# Altium PCB openmv-stm32n.PcbDoc (part 5 of 5)
Units mil, origin at the board's own origin, x right, y up, seen from the top; angles counter-clockwise.
Board outline 1400 x 1750 mil, 10 copper layers (Top Layer, L2, L3H, L5Z, L4, L6G, L7P, L8V, L9, Bottom Layer), stack 46.102 mil thick; 354 components, 264 nets, 1311 pads, 599 vias.
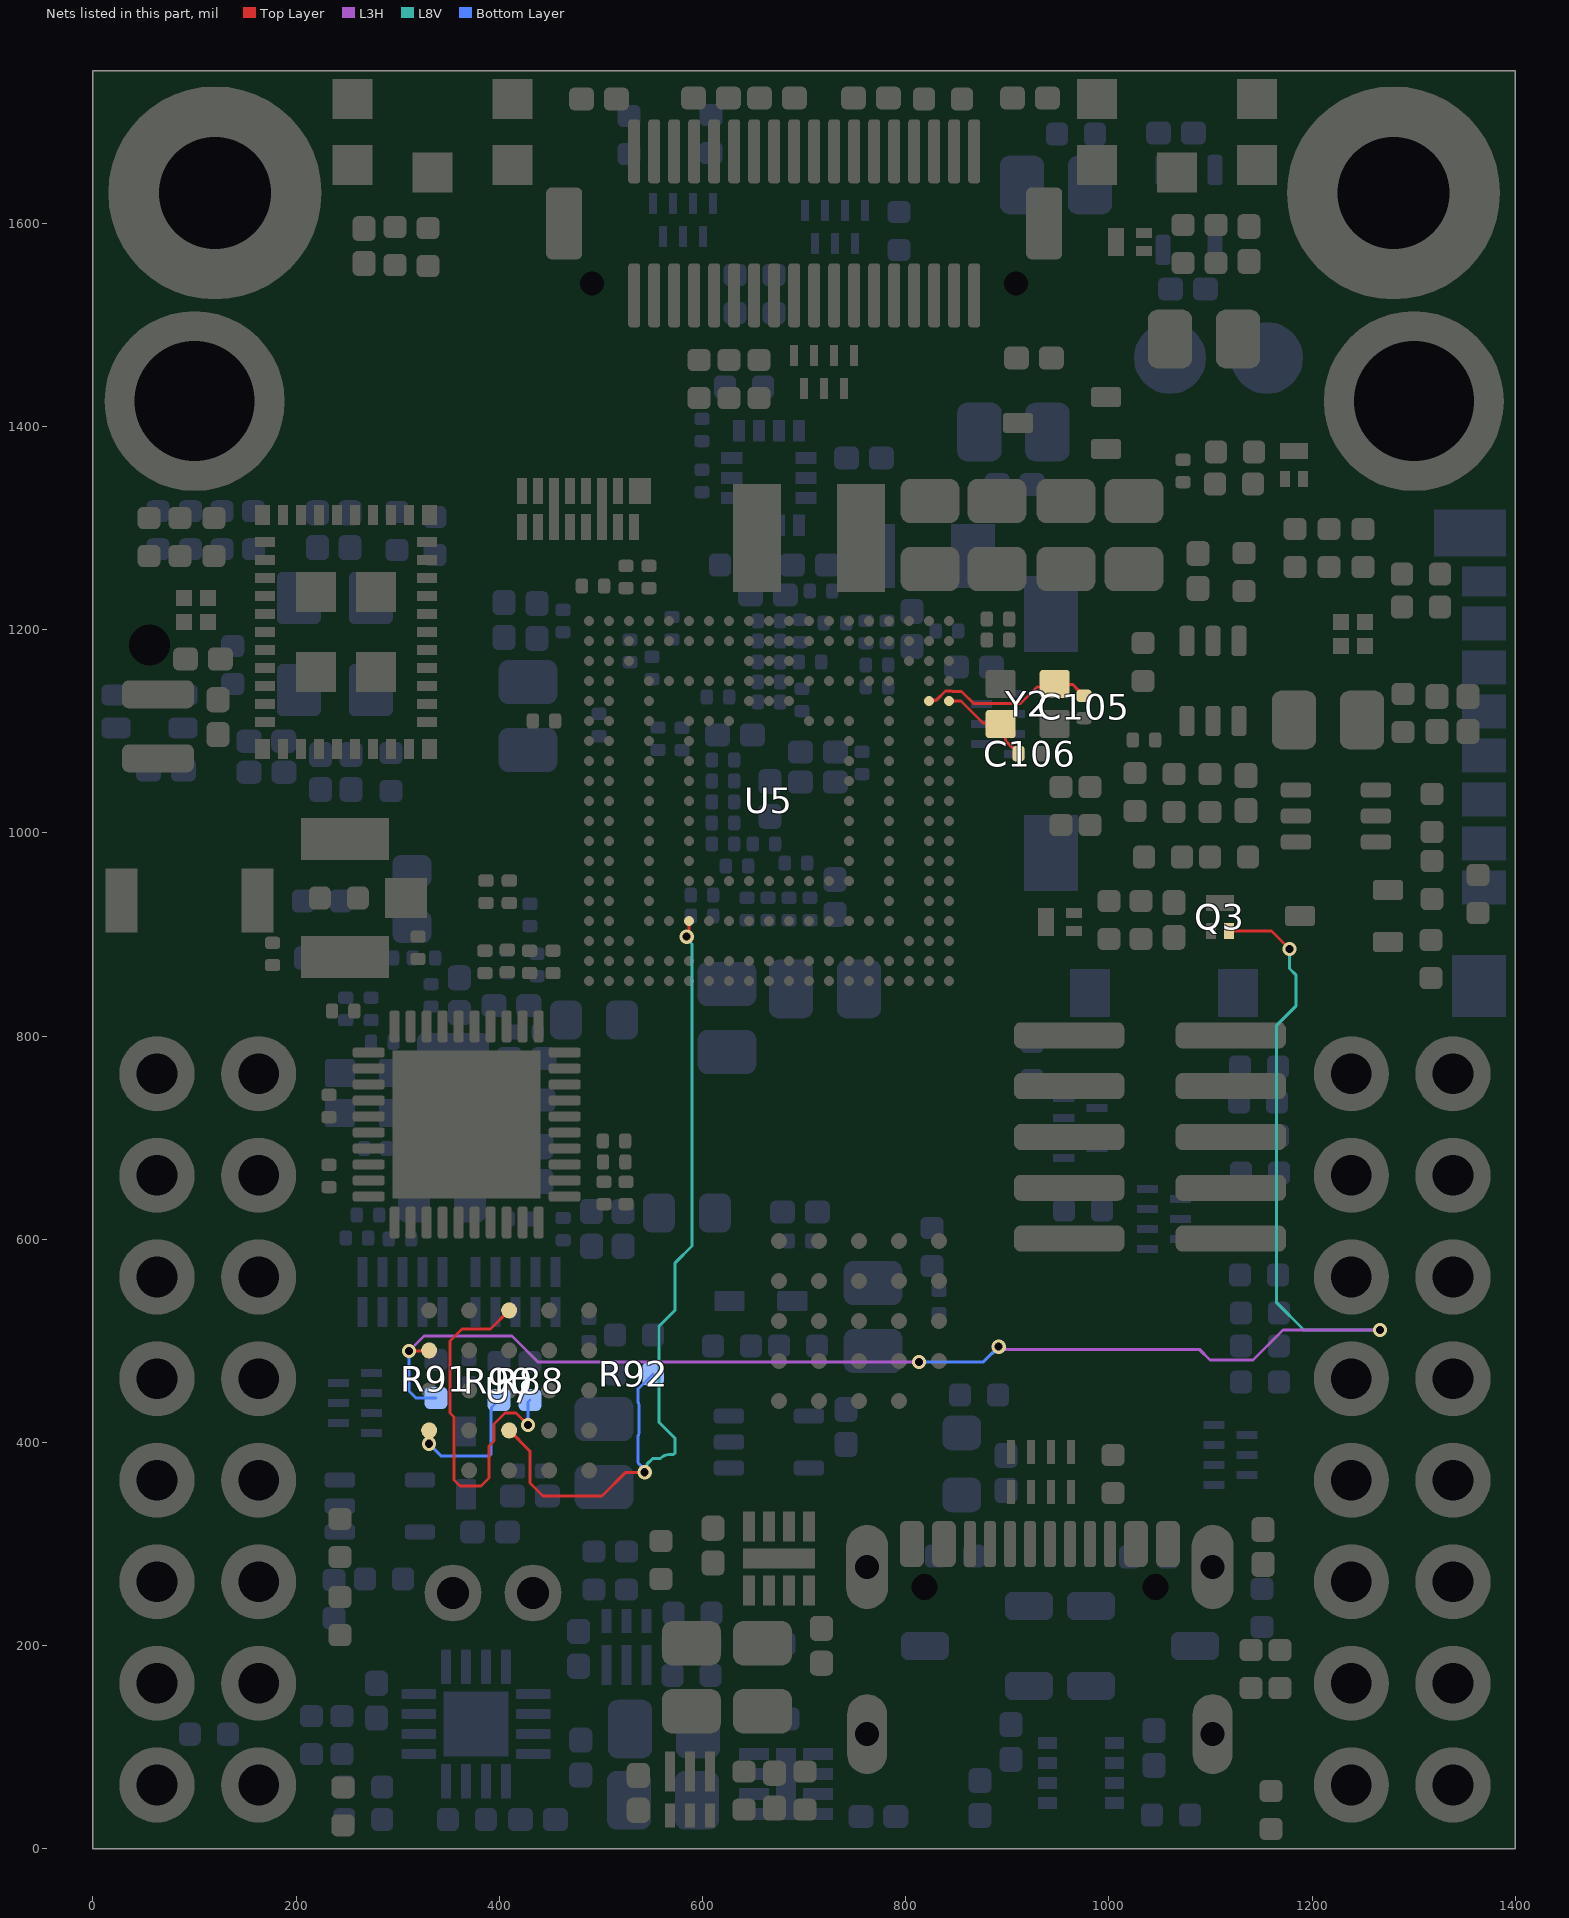
[diagram p13: the nets of this part, all layers, seen from the top]

## Via types
v1: diameter 14, hole 8, Top Layer to Bottom Layer, tented both sides, 586 vias
v2: diameter 35, hole 15, Top Layer to Bottom Layer, tented both sides, 6 vias
v3: diameter 25, hole 15, Top Layer to Bottom Layer, tented both sides, 5 vias
v4: diameter 20, hole 10, Top Layer to Bottom Layer, tented both sides, 1 vias
v5: diameter 20, hole 8, Top Layer to Bottom Layer, tented both sides, 1 vias

## Nets (pads, with @x,y where several pads share a name; then routed paths per layer and width w, separated by ;. In a path a pad name is that pad's centre, name@x,y a point inside that pad or via, vN(x,y) a via of type N, cw(c..) or ccw(c..) an arc to the next point about the centre after c; other vN are vias at no path point) (continued)
XSPIM_P2_NCS1: R92.2 U5.P16 U7.C2 | length 881.4
  Top Layer w3: U7.C2@409.63,412 430.12,391.51 430.12,360.24 442.91,347.44 500.98,347.44 524.31,370.77 v1(542.96,370.77) ; v1(584.33,897.95) 584.33,900.93 586.61,903.21 U5.P16@586.61,913.39
  L8V w3: v1(542.96,370.77) 545.07,372.87 545.07,378.6 550.84,384.37 557.4,384.37 558.62,384.37 559.08,384.82 cw(c567.91,375.98) 570.55,388.2 570.85,388.2 571.31,388.2 573.07,389.96 573.07,403.95 557.2,419.82 557.2,514.66 573.05,530.51 573.05,576.97 589.58,593.5 589.58,890.7 584.33,895.95 v1(584.33,897.95)
  Bottom Layer w3: v1(542.96,370.77) 542.96,373.74 536.42,380.29 536.42,405.84 ccw(c522.06,411.21) 537.39,411.21 537.39,435.25 ccw(c522.06,435.25) 536.42,440.62 536.42,452.76 R92.2@551.18,467.52
XSPIM_P2_RST#: Q3.2 R91.2 U7.A4 | length 1623.7
  Top Layer w3: v1(311.02,490.16) 330.31,490.16 U7.A4@330.89,490.74 ; Q3.2@1118.11,903.54 1159.88,903.54 v1(1177.65,885.78)
  L3H w3: v1(311.02,490.16) 325.79,504.92 412.4,504.92 437.99,479.33 v1(812.99,479.33) ; v1(891.42,494.4) 893.53,492.29 898.2,492.29 898.68,491.81 1088.9,491.81 1099.41,481.3 1141.73,481.3 1171.26,510.83 v1(1266.73,510.83)
  L8V w3: v1(1177.65,885.78) 1177.65,866.66 1183.87,860.44 1183.87,829.54 1164.7,810.37 1164.7,538.06 1191.93,510.83 v1(1266.73,510.83)
  Bottom Layer w3: v1(311.02,490.16) 311.02,450.79 317.91,443.9 R91.2@337.6,443.9 ; v1(812.99,479.33) 876.36,479.33 v1(891.42,494.4)
XSPIM_P2_RSTO#: R90.2 U7.A2 | length 123.4
  Bottom Layer w3: v1(330.71,398.84) 342.74,386.81 389.97,386.81 391.73,388.57 391.73,430.84 392.17,431.28 392.17,434.49 R90.2@399.61,441.93
XSPIM_P2_WP#: R88.2 U7.C5 | length 372.8
  Top Layer w3: U7.C5@409.63,530.11 391.33,511.81 363.19,511.81 351.38,500 351.38,429.13 355.32,425.2 355.32,363.19 361.22,357.28 381.89,357.28 389.76,365.16 389.76,396.65 394.68,401.57 394.68,418.31 405.51,429.13 416.34,429.13 v1(428.15,417.32)
  Bottom Layer w3: v1(428.15,417.32) 428.15,439.96 R88.2@430.12,441.93
XTALI: C106.1 U5.A5 Y2.3 | length 97.2
  Top Layer w3: U5.A5@842.52,1129.92 854.33,1129.92 875.93,1108.32 892.4,1108.32 Y2.3@893.44,1107.28 898.21,1102.51 898.21,1090.76 905.84,1083.14 906.52,1083.14 910.91,1078.75 C106.1@910.91,1078.07
XTALO: C105.1 U5.B5 Y2.1 | length 175
  Top Layer w3: U5.B5@822.83,1129.92 823.54,1130.63 829.9,1130.63 839.04,1139.76 845.47,1139.76 845.89,1139.34 854.81,1139.34 866.78,1127.37 912.81,1127.37 929.08,1143.65 943.58,1143.65 Y2.1@946.59,1146.65 946.92,1146.32 964.09,1146.32 970.32,1140.09 970.32,1139.4 974.71,1135.02 C105.1@975.39,1135.02
pads on no net: ANT1.2 B4.4 FD1.1 FD2.1 FD3.1 FD4.1 FD5.1 FD6.1 FD7.1 FD8.1 FL1.4 J1.0 J1.A8 J1.B8 J4.MH1 J4.MH2 J8.7 M1.1 M2.1 U3.6 U3.7 U3.13 U3.15 U3.16 U3.17 U3.18 U5.A4 U5.A7 U5.B2 U5.B4 U5.B7 U5.C1 U5.C2 U5.D2 U5.E4 U5.G16 U5.N14 U7.A3 U7.B5 U8.10 U8.11 U11.4 X2.6 X3.5 X3.6

## Polygon pours and split planes (outlines as drawn)
GND on Bottom Layer "GND_L10_P016" (solid, remove dead copper, pour order 16): 0,1750 0,0 1399.61,0 1399.61,1750 6.89,1750
VIN on Bottom Layer "vcc" (solid, remove dead copper, pour order 5): 1399.61,236.22 1033.46,236.22 1033.46,152.56 1102.36,152.56 1102.36,0 1400.59,0
BAT on Bottom Layer "BAT_L10_P004" (solid, remove dead copper, pour order 4): 355.32,246.05 285.45,246.08 235.24,195.87 235.24,144.68 255.91,144.68 255.91,183.07 334.65,183.07 334.65,219.49 355.32,219.49
VCC_1.8V_GATED on Bottom Layer "vcc" (solid, remove dead copper, pour order 0): 699,60 729,60 745,76 799,76 799,88 811,100 844,100 844,16 699,16
GND on L2 "GND_L02_P013" (solid, remove dead copper, pour order 13): 0,1750 0,0 1399.61,0 1399.61,1750 6.89,1750
GND on Top Layer "GND_L01_P014" (solid, remove dead copper, pour order 14): 0,1750 0,0 1399.61,0 1399.61,1750 6.89,1750
RAW on Top Layer "vcc" (solid, remove dead copper, pour order 2): 121,206 456,206 546,116 546,57 463,57 463,27 274,27 274,113 121,113
NetB4_5 on Top Layer "NETB4_5_L01_P003" (solid, remove dead copper, pour order 3): 1368.11,1100 1235.24,1100 1235.24,1008.86 1299.21,1008.86 1299.21,1059.06 1368.11,1059.06
GND on L9 "GND_L09_P015" (solid, remove dead copper, pour order 15): 0,1750 0,0 1399.61,0 1399.61,1750 6.89,1750
VCC_3.3V_GATED on L4 "vcc" (solid, remove dead copper, pour order 6): -1.97,0 130.91,0 130.91,294.29 682.09,294.29 682.09,667.32 370.08,667.32 370.08,1244.09 -0.98,1244.09
VCC_3.3V_GATED on L4 "vcc" (solid, remove dead copper, pour order 7): 586.61,295.28 1174.21,295.28 1174.21,0 1399.61,0 1399.61,1750 298.23,1750 298.23,1496.06 981.3,1496.06 981.3,437.01 593.5,437.01
VCC_1.8V_GATED on L4 "VCC_1.8V_GATED_L05_P010" (solid, remove dead copper, pour order 10): 963.58,1096.46 571.85,1096.46 571.85,670.28 687.01,670.28 687.01,533.46 963.58,533.46
VCC_1.8V_A_GATED on L4 "VCC_1.8V_A_GATED_L05_P008" (solid, remove dead copper, pour order 8): 454.72,1228.35 816.93,1228.35 816.93,1097.44 454.72,1097.44
VCC_3.3V on L7P "VCC_3.3V_L07_P018" (solid, remove dead copper, pour order 18): 583.66,980.32 583.66,635.83 628.94,635.83 628.94,164.37 1003.94,164.37 1003.94,980.32
VCC_1.8V_GATED on L7P "VCC_1.8V_GATED_L07_P012" (solid, remove dead copper, pour order 12): 628.94,82.68 628.94,498.03 369.09,498.03 369.09,0.98 851.38,0.98 851.38,82.68
VCC_1.8V_GATED on L7P "VCC_1.8V_GATED_L07_P011" (solid, remove dead copper, pour order 11): 368.11,502.95 534.45,502.95 657.48,625.98 731.3,625.98 731.3,579.72 527.56,375.98 368.11,375.98
VDD_CORE_0V8 on L7P "VDD_CORE_0V8_L07_P009" (solid, remove dead copper, pour order 9): 665.35,1144.68 665.35,1304.13 1044.29,1304.13 1044.29,1187.01 765.75,1187.01 765.75,1144.68
GND on L6G "GND_L06_P017" (solid, remove dead copper, pour order 17): 0,1750 0,0 1399.61,0 1399.61,1750 6.89,1750

## Keep-outs
Keep-Out Layer:
  lines w0: 0,1750 0,0 1400,0 1400,1750
  lines w6: 0,0 0,1750 1400,1750 1400,0 0,0

## Other copper
Top Layer:
  rectangle net RAW: 163,113 222,206
  rectangle net VCC_3.3V_GATED: 580,303 672,355
  rectangle net VCC_3.3V: 640,193.3 671.55,269
  rectangle net GND: 189.73,847.44 303.35,910.65
  rectangle net GND: 189.08,961.76 298.06,1028.23
  pour cut-out: 635.83,363.19 635.83,678.97 872.05,678.97 872.05,361.22
  pour cut-out: 250.98,569.88 250.98,331.69 566.54,331.69 566.54,569.11
  pour cut-out: 468.83,1212.14 468.83,849.52 864.17,849.52 864.17,1230.32 466.61,1230.32 466.61,1212.15 466.65,1212.15
  pour cut-out: 0,1042.87 0,823.68 168.83,823.68 168.83,1043.81
  pour cut-out: 155.51,973.43 299.83,973.43 299.83,1080.71 324.77,1080.71 324.77,887.25 155.51,887.25 155.51,892.72
L3H:
  pour cut-out: 0,1042.87 0,823.68 168.83,823.68 168.83,1043.81
L4:
  pour cut-out: 0,1042.87 0,823.68 168.83,823.68 168.83,1043.81
L5Z:
  pour cut-out: 0,1042.87 0,823.68 168.83,823.68 168.83,1043.81
L7P:
  pour cut-out: 0,1042.87 0,823.68 168.83,823.68 168.83,1043.81
L6G:
  pour cut-out: 0,1042.87 0,823.68 168.83,823.68 168.83,1043.81
L8V:
  pour cut-out: 0,1042.87 0,823.68 168.83,823.68 168.83,1043.81
L2:
  pour cut-out: 287.41,956.7 287.41,917.33 328.75,917.33 328.75,956.7
  pour cut-out: 312.02,902.57 312.02,890.76 326.78,890.76 326.78,902.57
  pour cut-out: 248.04,925.21 269.69,925.21 269.69,948.83 248.04,948.83
  pour cut-out: 210.64,948.83 232.29,948.83 232.29,925.21 210.64,925.21
  pour cut-out: 149.62,969.5 182.1,969.5 182.1,889.77 149.62,889.77
  pour cut-out: 0,1042.87 0,823.68 168.83,823.68 168.83,1043.81
L9:
  pour cut-out: 802.56,1704.23 835.15,1704.23 835.15,1639.92 802.56,1639.92
  pour cut-out: 841.6,1560.89 874.18,1560.89 874.18,1496.59 841.6,1496.59
  pour cut-out: 782.37,1561.35 814.96,1561.35 814.96,1497.05 782.37,1497.05
  pour cut-out: 1116.05,744.82 1176.09,744.82 1176.09,685.92 1115.99,685.92
  pour cut-out: 1118.11,540.35 1178.15,540.35 1178.15,481.45 1118.05,481.45
  pour cut-out: 427.93,582.68 427.93,512.83 461.19,512.83 461.19,582.78
  pour cut-out: 369.86,582.68 369.86,512.83 403.12,512.83 403.12,582.78
  pour cut-out: 316.93,582.68 316.93,512.83 350.19,512.83 350.19,582.78
  pour cut-out: 258.86,582.68 258.86,512.83 292.12,512.83 292.12,582.78
  pour cut-out: 0,1042.87 0,823.68 168.83,823.68 168.83,1043.81
Bottom Layer:
  rectangle net GND: 1313.98,1146.65 1383.86,1180.11
  rectangle net NetB4_5: 1315.94,1060.04 1383.86,1093.5
  rectangle net RAW: 480,162 510,191
  rectangle net RAW: 456.25,107 498,177
  rectangle net VCC_1.8V: 598,162 651,209
  rectangle net VCC_1.8V_GATED: 699,16 766,60
  rectangle net VCC_1.8V: 573,19 665,60
  pour cut-out: 0,1042.87 0,823.68 168.83,823.68 168.83,1043.81

## Silkscreen, mask and mechanical layers (free items; w line width, h text height)
Top Overlay:
  region: 790,271 790,224 751,224 751,161 790,161 790,62 753,62 753,20 1110,20 1110,66 1071,66 1071,160 1113,160 1113,226 1070,226 1070,271

## Text inside footprints (layer, text, board x,y; h text height)
D9: Bottom Overlay "K" at 727.5,522.13 h19.68
D11: Bottom Overlay "K" at 384.37,449.94 h19.68 r90
J1: Top 3D Body (Mech13) "PCB EDGE" at 1144.6,14.57 h16
U8: Bottom 3D Body (Mech14) "X" at 658.46,1382.87 h11.81 r270; Bottom 3D Body (Mech14) "Y" at 698.82,1345.47 h11.81 r270; Bottom 3D Body (Mech14) "Z" at 659.45,1331.69 h11.81 r270